# KiCad board first_keyboard.kicad_pcb (continued)
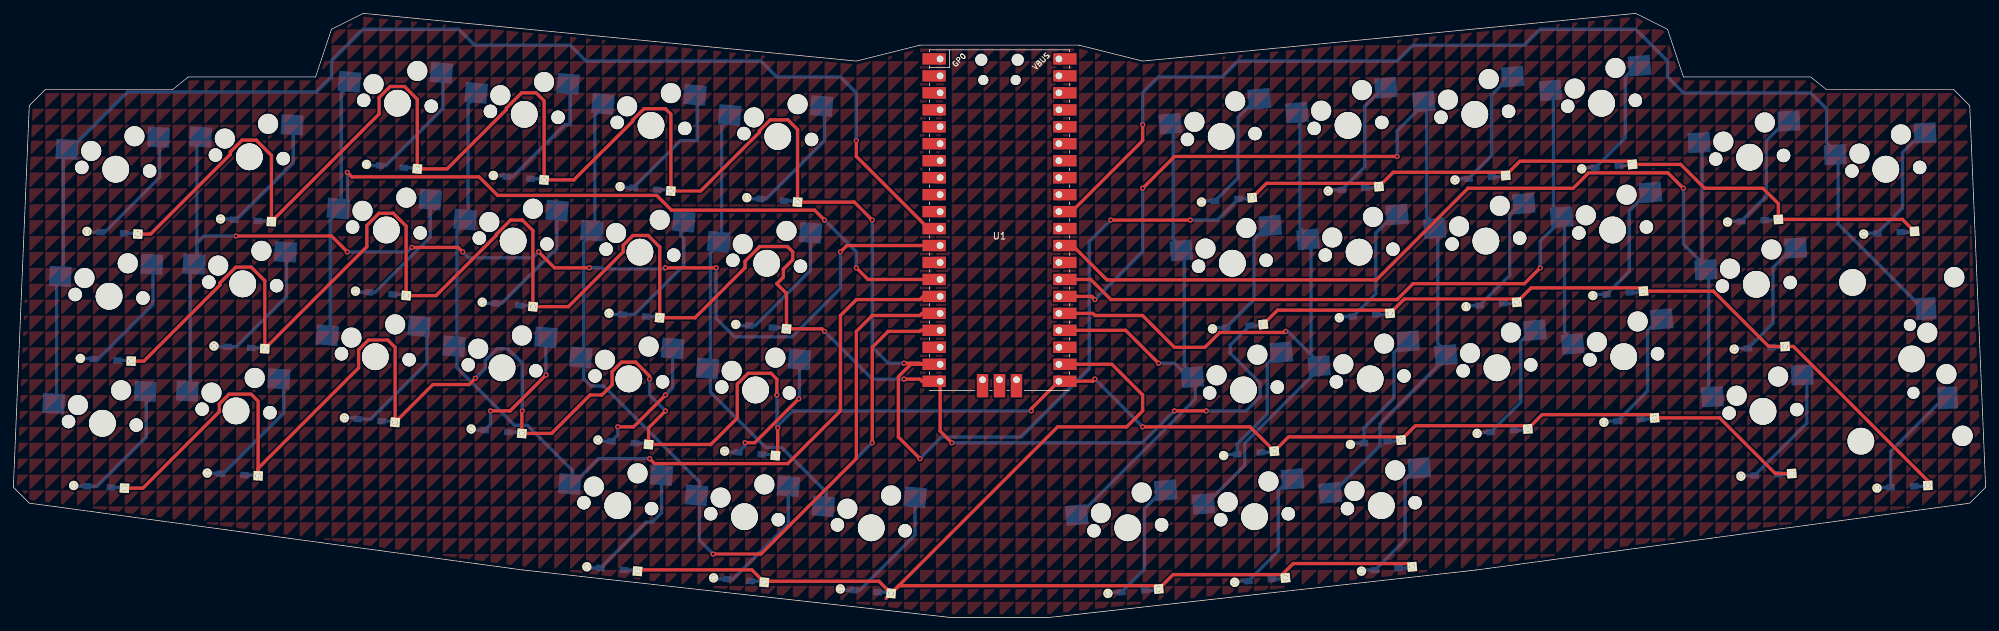
[diagram p0: board, top side]
## Copper pours and planes (outline as drawn; the poured copper is in the pictures) (continued)
(no net) on Top, Bottom: 26.19,14.29 26.19,11.91 28.58,14.29
(no net) on Top, Bottom: 245.27,121.44 245.27,119.06 247.65,121.44
(no net) on Top, Bottom: 264.32,9.53 264.32,7.14 266.7,9.53
(no net) on Top, Bottom: 207.17,59.53 207.17,57.15 209.55,59.53
(no net) on Top, Bottom: 109.54,26.19 109.54,23.81 111.92,26.19
(no net) on Top, Bottom: 283.37,69.06 283.37,66.68 285.75,69.06
(no net) on Top, Bottom: 92.87,109.54 92.87,107.16 95.25,109.54
(no net) on Top, Bottom: 47.62,14.29 47.62,11.91 50.01,14.29
(no net) on Top, Bottom: 297.66,28.57 297.66,26.19 300.04,28.57
(no net) on Top, Bottom: 242.89,-2.38 242.89,-4.76 245.27,-2.38
(no net) on Top, Bottom: 100.01,114.3 100.01,111.92 102.39,114.3
(no net) on Top, Bottom: 259.56,21.43 259.56,19.05 261.94,21.43
(no net) on Top, Bottom: 259.56,133.35 259.56,130.97 261.94,133.35
(no net) on Top, Bottom: 190.5,19.05 190.5,16.67 192.88,19.05
(no net) on Top, Bottom: 271.46,52.39 271.46,50.01 273.84,52.39
(no net) on Top, Bottom: 242.89,140.49 242.89,138.11 245.27,140.49
(no net) on Top, Bottom: 97.63,-30.96 97.63,-33.34 100.01,-30.96
(no net) on Top, Bottom: 73.82,-26.19 73.82,-28.57 76.2,-26.19
(no net) on Top, Bottom: 52.39,57.15 52.39,54.77 54.77,57.15
(no net) on Top, Bottom: 76.2,-14.29 76.2,-16.67 78.58,-14.29
(no net) on Top, Bottom: 104.77,50.01 104.77,47.62 107.16,50.01
(no net) on Top, Bottom: 33.34,95.25 33.34,92.87 35.72,95.25
(no net) on Top, Bottom: 276.22,-33.34 276.22,-35.72 278.61,-33.34
(no net) on Top, Bottom: 88.11,-28.57 88.11,-30.96 90.49,-28.57
(no net) on Top, Bottom: 2.38,-9.53 2.38,-11.91 4.76,-9.53
(no net) on Top, Bottom: 259.56,-11.91 259.56,-14.29 261.94,-11.91
(no net) on Top, Bottom: 135.73,102.39 135.73,100.01 138.11,102.39
(no net) on Top, Bottom: 57.15,7.14 57.15,4.76 59.53,7.14
(no net) on Top, Bottom: 38.1,61.91 38.1,59.53 40.48,61.91
(no net) on Top, Bottom: 214.31,14.29 214.31,11.91 216.69,14.29
(no net) on Top, Bottom: 154.78,-35.72 154.78,-38.1 157.16,-35.72
(no net) on Top, Bottom: 102.39,-35.72 102.39,-38.1 104.77,-35.72
(no net) on Top, Bottom: 183.36,-7.14 183.36,-9.53 185.74,-7.14
(no net) on Top, Bottom: 126.21,28.57 126.21,26.19 128.59,28.57
(no net) on Top, Bottom: 259.56,-38.1 259.56,-40.48 261.94,-38.1
(no net) on Top, Bottom: 126.21,-19.05 126.21,-21.43 128.59,-19.05
(no net) on Top, Bottom: 64.29,85.72 64.29,83.34 66.67,85.72
(no net) on Top, Bottom: 238.12,14.29 238.12,11.91 240.51,14.29
(no net) on Top, Bottom: 207.17,45.24 207.17,42.86 209.55,45.24
(no net) on Top, Bottom: 107.16,111.92 107.16,109.54 109.54,111.92
(no net) on Top, Bottom: 28.58,-14.29 28.58,-16.67 30.96,-14.29
(no net) on Top, Bottom: 166.69,126.21 166.69,123.83 169.07,126.21
(no net) on Top, Bottom: 188.12,30.96 188.12,28.57 190.5,30.96
(no net) on Top, Bottom: 16.67,73.82 16.67,71.44 19.05,73.82
(no net) on Top, Bottom: 66.67,66.68 66.67,64.29 69.06,66.68
(no net) on Top, Bottom: 207.17,109.54 207.17,107.16 209.55,109.54
(no net) on Top, Bottom: 21.43,4.76 21.43,2.38 23.81,4.76
(no net) on Top, Bottom: 197.64,104.78 197.64,102.39 200.02,104.78
(no net) on Top, Bottom: 100.01,71.44 100.01,69.06 102.39,71.44
(no net) on Top, Bottom: 150.02,30.96 150.02,28.57 152.4,30.96
(no net) on Top, Bottom: 300.04,97.63 300.04,95.25 302.42,97.63
(no net) on Top, Bottom: 157.16,30.96 157.16,28.57 159.54,30.96
(no net) on Top, Bottom: 152.4,142.88 152.4,140.49 154.78,142.88
(no net) on Top, Bottom: 121.44,28.57 121.44,26.19 123.83,28.57
(no net) on Top, Bottom: 238.12,-19.05 238.12,-21.43 240.51,-19.05
(no net) on Top, Bottom: 290.51,59.53 290.51,57.15 292.89,59.53
(no net) on Top, Bottom: 133.35,-35.72 133.35,-38.1 135.73,-35.72
(no net) on Top, Bottom: 200.02,114.3 200.02,111.92 202.41,114.3
(no net) on Top, Bottom: 100.01,116.68 100.01,114.3 102.39,116.68
(no net) on Top, Bottom: 304.8,26.19 304.8,23.81 307.18,26.19
(no net) on Top, Bottom: 204.79,73.82 204.79,71.44 207.17,73.82
(no net) on Top, Bottom: 95.25,130.97 95.25,128.59 97.63,130.97
(no net) on Top, Bottom: 52.39,116.68 52.39,114.3 54.77,116.68
(no net) on Top, Bottom: 64.29,-23.81 64.29,-26.19 66.67,-23.81
(no net) on Top, Bottom: 76.2,19.05 76.2,16.67 78.58,19.05
(no net) on Top, Bottom: 145.26,28.57 145.26,26.19 147.64,28.57
(no net) on Top, Bottom: 33.34,121.44 33.34,119.06 35.72,121.44
(no net) on Top, Bottom: 33.34,11.91 33.34,9.53 35.72,11.91
(no net) on Top, Bottom: 102.39,69.06 102.39,66.68 104.77,69.06
(no net) on Top, Bottom: 76.2,111.92 76.2,109.54 78.58,111.92
(no net) on Top, Bottom: 4.76,97.63 4.76,95.25 7.14,97.63
(no net) on Top, Bottom: 109.54,4.76 109.54,2.38 111.92,4.76
(no net) on Top, Bottom: 171.45,16.67 171.45,14.29 173.83,16.67
(no net) on Top, Bottom: 221.46,-21.43 221.46,-23.81 223.84,-21.43
(no net) on Top, Bottom: 230.98,121.44 230.98,119.06 233.36,121.44
(no net) on Top, Bottom: 50.01,-33.34 50.01,-35.72 52.39,-33.34
(no net) on Top, Bottom: 228.6,9.53 228.6,7.14 230.98,9.53
(no net) on Top, Bottom: 288.13,71.44 288.13,69.06 290.51,71.44
(no net) on Top, Bottom: 250.03,150.02 250.03,147.64 252.41,150.02
(no net) on Top, Bottom: 59.53,83.34 59.53,80.96 61.91,83.34
(no net) on Top, Bottom: 271.46,123.83 271.46,121.44 273.84,123.83
(no net) on Top, Bottom: 66.67,14.29 66.67,11.91 69.06,14.29
(no net) on Top, Bottom: 71.44,71.44 71.44,69.06 73.82,71.44
(no net) on Top, Bottom: 238.12,42.86 238.12,40.48 240.51,42.86
(no net) on Top, Bottom: 142.88,102.39 142.88,100.01 145.26,102.39
(no net) on Top, Bottom: 26.19,-28.57 26.19,-30.96 28.58,-28.57
(no net) on Top, Bottom: 142.88,14.29 142.88,11.91 145.26,14.29
(no net) on Top, Bottom: 133.35,119.06 133.35,116.68 135.73,119.06
(no net) on Top, Bottom: 69.06,-2.38 69.06,-4.76 71.44,-2.38
(no net) on Top, Bottom: 242.89,19.05 242.89,16.67 245.27,19.05
(no net) on Top, Bottom: 190.5,38.1 190.5,35.72 192.88,38.1
(no net) on Top, Bottom: 135.73,4.76 135.73,2.38 138.11,4.76
(no net) on Top, Bottom: 57.15,133.35 57.15,130.97 59.53,133.35
(no net) on Top, Bottom: 245.27,33.34 245.27,30.96 247.65,33.34
(no net) on Top, Bottom: 69.06,26.19 69.06,23.81 71.44,26.19
(no net) on Top, Bottom: 226.22,47.62 226.22,45.24 228.6,47.62
(no net) on Top, Bottom: 278.61,28.57 278.61,26.19 280.99,28.57
(no net) on Top, Bottom: 30.96,23.81 30.96,21.43 33.34,23.81
(no net) on Top, Bottom: 180.98,142.88 180.98,140.49 183.36,142.88
(no net) on Top, Bottom: 128.59,135.73 128.59,133.35 130.97,135.73
(no net) on Top, Bottom: 59.53,66.68 59.53,64.29 61.91,66.68
(no net) on Top, Bottom: 38.1,130.97 38.1,128.59 40.48,130.97
(no net) on Top, Bottom: 45.24,80.96 45.24,78.58 47.62,80.96
(no net) on Top, Bottom: 138.11,95.25 138.11,92.87 140.49,95.25
(no net) on Top, Bottom: 83.34,90.49 83.34,88.11 85.73,90.49
(no net) on Top, Bottom: 185.74,150.02 185.74,147.64 188.12,150.02
(no net) on Top, Bottom: 57.15,69.06 57.15,66.68 59.53,69.06
(no net) on Top, Bottom: 295.27,-2.38 295.27,-4.76 297.66,-2.38
(no net) on Top, Bottom: 200.02,11.91 200.02,9.53 202.41,11.91
(no net) on Top, Bottom: 119.06,145.26 119.06,142.88 121.44,145.26
(no net) on Top, Bottom: 300.04,69.06 300.04,66.68 302.42,69.06
(no net) on Top, Bottom: 304.8,-28.57 304.8,-30.96 307.18,-28.57
(no net) on Top, Bottom: 38.1,97.63 38.1,95.25 40.48,97.63
(no net) on Top, Bottom: 152.4,83.34 152.4,80.96 154.78,83.34
(no net) on Top, Bottom: 107.16,-14.29 107.16,-16.67 109.54,-14.29
(no net) on Top, Bottom: 221.46,140.49 221.46,138.11 223.84,140.49
(no net) on Top, Bottom: 264.32,-33.34 264.32,-35.72 266.7,-33.34
(no net) on Top, Bottom: 19.05,92.87 19.05,90.49 21.43,92.87
(no net) on Top, Bottom: 176.21,45.24 176.21,42.86 178.59,45.24
(no net) on Top, Bottom: 119.06,-11.91 119.06,-14.29 121.44,-11.91
(no net) on Top, Bottom: 190.5,64.29 190.5,61.91 192.88,64.29
(no net) on Top, Bottom: 52.39,104.78 52.39,102.39 54.77,104.78
(no net) on Top, Bottom: 161.93,130.97 161.93,128.59 164.31,130.97
(no net) on Top, Bottom: 250.03,35.72 250.03,33.34 252.41,35.72
(no net) on Top, Bottom: 207.17,40.48 207.17,38.1 209.55,40.48
(no net) on Top, Bottom: 150.02,142.88 150.02,140.49 152.4,142.88
(no net) on Top, Bottom: 245.27,-21.43 245.27,-23.81 247.65,-21.43
(no net) on Top, Bottom: 85.73,-30.96 85.73,-33.34 88.11,-30.96
(no net) on Top, Bottom: 164.31,-30.96 164.31,-33.34 166.69,-30.96
(no net) on Top, Bottom: 192.88,-21.43 192.88,-23.81 195.26,-21.43
(no net) on Top, Bottom: 128.59,14.29 128.59,11.91 130.97,14.29
(no net) on Top, Bottom: 300.04,92.87 300.04,90.49 302.42,92.87
(no net) on Top, Bottom: 111.92,2.38 111.92,0 114.3,2.38
(no net) on Top, Bottom: 102.39,80.96 102.39,78.58 104.77,80.96
(no net) on Top, Bottom: 176.21,116.68 176.21,114.3 178.59,116.68
(no net) on Top, Bottom: 178.59,11.91 178.59,9.53 180.98,11.91
(no net) on Top, Bottom: 292.89,128.59 292.89,126.21 295.27,128.59
(no net) on Top, Bottom: 295.27,-33.34 295.27,-35.72 297.66,-33.34
(no net) on Top, Bottom: 169.07,61.91 169.07,59.53 171.45,61.91
(no net) on Top, Bottom: 111.92,83.34 111.92,80.96 114.3,83.34
(no net) on Top, Bottom: 290.51,-19.05 290.51,-21.43 292.89,-19.05
(no net) on Top, Bottom: 266.7,-4.76 266.7,-7.14 269.08,-4.76
(no net) on Top, Bottom: 185.74,133.35 185.74,130.97 188.12,133.35
(no net) on Top, Bottom: 116.68,-9.53 116.68,-11.91 119.06,-9.53
(no net) on Top, Bottom: 300.04,142.88 300.04,140.49 302.42,142.88
(no net) on Top, Bottom: 4.76,95.25 4.76,92.87 7.14,95.25
(no net) on Top, Bottom: 252.41,145.26 252.41,142.88 254.79,145.26
(no net) on Top, Bottom: 19.05,85.72 19.05,83.34 21.43,85.72
(no net) on Top, Bottom: 154.78,-21.43 154.78,-23.81 157.16,-21.43
(no net) on Top, Bottom: 242.89,-14.29 242.89,-16.67 245.27,-14.29
(no net) on Top, Bottom: 264.32,11.91 264.32,9.53 266.7,11.91
(no net) on Top, Bottom: 147.64,100.01 147.64,97.63 150.02,100.01
(no net) on Top, Bottom: 40.48,45.24 40.48,42.86 42.86,45.24
(no net) on Top, Bottom: 135.73,-28.57 135.73,-30.96 138.11,-28.57
(no net) on Top, Bottom: 297.66,102.39 297.66,100.01 300.04,102.39
(no net) on Top, Bottom: 71.44,38.1 71.44,35.72 73.82,38.1
(no net) on Top, Bottom: 264.32,14.29 264.32,11.91 266.7,14.29
(no net) on Top, Bottom: 173.83,19.05 173.83,16.67 176.21,19.05
(no net) on Top, Bottom: 2.38,97.63 2.38,95.25 4.76,97.63
(no net) on Top, Bottom: 85.73,11.91 85.73,9.53 88.11,11.91
(no net) on Top, Bottom: 85.73,-35.72 85.73,-38.1 88.11,-35.72
(no net) on Top, Bottom: 16.67,116.68 16.67,114.3 19.05,116.68
(no net) on Top, Bottom: 23.81,78.58 23.81,76.2 26.19,78.58
(no net) on Top, Bottom: 192.88,97.63 192.88,95.25 195.26,97.63
(no net) on Top, Bottom: 280.99,38.1 280.99,35.72 283.37,38.1
(no net) on Top, Bottom: 59.53,-26.19 59.53,-28.57 61.91,-26.19
(no net) on Top, Bottom: 104.77,45.24 104.77,42.86 107.16,45.24
(no net) on Top, Bottom: 195.26,138.11 195.26,135.73 197.64,138.11
(no net) on Top, Bottom: 230.98,7.14 230.98,4.76 233.36,7.14
(no net) on Top, Bottom: 190.5,-23.81 190.5,-26.19 192.88,-23.81
(no net) on Top, Bottom: 245.27,-19.05 245.27,-21.43 247.65,-19.05
(no net) on Top, Bottom: 16.67,61.91 16.67,59.53 19.05,61.91
(no net) on Top, Bottom: 88.11,88.11 88.11,85.72 90.49,88.11
(no net) on Top, Bottom: 276.22,30.96 276.22,28.57 278.61,30.96
(no net) on Top, Bottom: 145.26,47.62 145.26,45.24 147.64,47.62
(no net) on Top, Bottom: 157.16,150.02 157.16,147.64 159.54,150.02
(no net) on Top, Bottom: 235.74,-9.53 235.74,-11.91 238.12,-9.53
(no net) on Top, Bottom: 221.46,33.34 221.46,30.96 223.84,33.34
(no net) on Top, Bottom: 107.16,26.19 107.16,23.81 109.54,26.19
(no net) on Top, Bottom: 152.4,16.67 152.4,14.29 154.78,16.67
(no net) on Top, Bottom: 114.3,104.78 114.3,102.39 116.68,104.78
(no net) on Top, Bottom: 140.49,28.57 140.49,26.19 142.88,28.57
(no net) on Top, Bottom: 145.26,40.48 145.26,38.1 147.64,40.48
(no net) on Top, Bottom: 242.89,16.67 242.89,14.29 245.27,16.67
(no net) on Top, Bottom: 300.04,16.67 300.04,14.29 302.42,16.67
(no net) on Top, Bottom: 119.06,50.01 119.06,47.62 121.44,50.01
(no net) on Top, Bottom: 142.88,26.19 142.88,23.81 145.26,26.19
(no net) on Top, Bottom: 221.46,-28.57 221.46,-30.96 223.84,-28.57
(no net) on Top, Bottom: 80.96,-14.29 80.96,-16.67 83.34,-14.29
(no net) on Top, Bottom: 169.07,128.59 169.07,126.21 171.45,128.59
(no net) on Top, Bottom: 261.94,71.44 261.94,69.06 264.32,71.44
(no net) on Top, Bottom: 147.64,-4.76 147.64,-7.14 150.02,-4.76
(no net) on Top, Bottom: 104.77,11.91 104.77,9.53 107.16,11.91
(no net) on Top, Bottom: 204.79,142.88 204.79,140.49 207.17,142.88
(no net) on Top, Bottom: 226.22,80.96 226.22,78.58 228.6,80.96
(no net) on Top, Bottom: 207.17,140.49 207.17,138.11 209.55,140.49
(no net) on Top, Bottom: 71.44,59.53 71.44,57.15 73.82,59.53
(no net) on Top, Bottom: 28.58,2.38 28.58,0 30.96,2.38
(no net) on Top, Bottom: 73.82,23.81 73.82,21.43 76.2,23.81
(no net) on Top, Bottom: 159.54,78.58 159.54,76.2 161.93,78.58
(no net) on Top, Bottom: 300.04,52.39 300.04,50.01 302.42,52.39
(no net) on Top, Bottom: 28.58,69.06 28.58,66.68 30.96,69.06
(no net) on Top, Bottom: 42.86,21.43 42.86,19.05 45.24,21.43
(no net) on Top, Bottom: 35.72,121.44 35.72,119.06 38.1,121.44
(no net) on Top, Bottom: 178.59,121.44 178.59,119.06 180.98,121.44
(no net) on Top, Bottom: 150.02,-4.76 150.02,-7.14 152.4,-4.76
(no net) on Top, Bottom: 11.91,35.72 11.91,33.34 14.29,35.72
(no net) on Top, Bottom: 42.86,102.39 42.86,100.01 45.24,102.39
(no net) on Top, Bottom: 192.88,142.88 192.88,140.49 195.26,142.88
(no net) on Top, Bottom: 302.42,26.19 302.42,23.81 304.8,26.19
(no net) on Top, Bottom: 19.05,0 19.05,-2.38 21.43,0
(no net) on Top, Bottom: 83.34,11.91 83.34,9.53 85.73,11.91
(no net) on Top, Bottom: 223.84,126.21 223.84,123.83 226.22,126.21
(no net) on Top, Bottom: 76.2,73.82 76.2,71.44 78.58,73.82
(no net) on Top, Bottom: 88.11,-2.38 88.11,-4.76 90.49,-2.38
(no net) on Top, Bottom: 19.05,95.25 19.05,92.87 21.43,95.25
(no net) on Top, Bottom: 121.44,73.82 121.44,71.44 123.83,73.82
(no net) on Top, Bottom: 276.22,71.44 276.22,69.06 278.61,71.44
(no net) on Top, Bottom: 80.96,142.88 80.96,140.49 83.34,142.88
(no net) on Top, Bottom: 297.66,-2.38 297.66,-4.76 300.04,-2.38
(no net) on Top, Bottom: 261.94,-2.38 261.94,-4.76 264.32,-2.38
(no net) on Top, Bottom: 269.08,59.53 269.08,57.15 271.46,59.53
(no net) on Top, Bottom: 228.6,102.39 228.6,100.01 230.98,102.39
(no net) on Top, Bottom: 47.62,104.78 47.62,102.39 50.01,104.78
(no net) on Top, Bottom: 233.36,135.73 233.36,133.35 235.74,135.73
(no net) on Top, Bottom: 209.55,45.24 209.55,42.86 211.93,45.24
(no net) on Top, Bottom: 288.13,90.49 288.13,88.11 290.51,90.49
(no net) on Top, Bottom: 259.56,-23.81 259.56,-26.19 261.94,-23.81
(no net) on Top, Bottom: 42.86,52.39 42.86,50.01 45.24,52.39
(no net) on Top, Bottom: 288.13,130.97 288.13,128.59 290.51,130.97
(no net) on Top, Bottom: 300.04,145.26 300.04,142.88 302.42,145.26
(no net) on Top, Bottom: 152.4,92.87 152.4,90.49 154.78,92.87
(no net) on Top, Bottom: 245.27,83.34 245.27,80.96 247.65,83.34
(no net) on Top, Bottom: 57.15,121.44 57.15,119.06 59.53,121.44
(no net) on Top, Bottom: 121.44,92.87 121.44,90.49 123.83,92.87
(no net) on Top, Bottom: 242.89,-33.34 242.89,-35.72 245.27,-33.34
(no net) on Top, Bottom: 157.16,80.96 157.16,78.58 159.54,80.96
(no net) on Top, Bottom: 264.32,64.29 264.32,61.91 266.7,64.29
(no net) on Top, Bottom: 304.8,119.06 304.8,116.68 307.18,119.06
(no net) on Top, Bottom: 142.88,150.02 142.88,147.64 145.26,150.02
(no net) on Top, Bottom: 269.08,145.26 269.08,142.88 271.46,145.26
(no net) on Top, Bottom: 50.01,135.73 50.01,133.35 52.39,135.73
(no net) on Top, Bottom: 16.67,-23.81 16.67,-26.19 19.05,-23.81
(no net) on Top, Bottom: 188.12,71.44 188.12,69.06 190.5,71.44
(no net) on Top, Bottom: 219.07,50.01 219.07,47.62 221.46,50.01
(no net) on Top, Bottom: 226.22,9.53 226.22,7.14 228.6,9.53
(no net) on Top, Bottom: 80.96,-4.76 80.96,-7.14 83.34,-4.76
(no net) on Top, Bottom: 264.32,80.96 264.32,78.58 266.7,80.96
(no net) on Top, Bottom: 57.15,-30.96 57.15,-33.34 59.53,-30.96
(no net) on Top, Bottom: 226.22,76.2 226.22,73.82 228.6,76.2
(no net) on Top, Bottom: 157.16,116.68 157.16,114.3 159.54,116.68
(no net) on Top, Bottom: 0,47.62 0,45.24 2.38,47.62
(no net) on Top, Bottom: 278.61,95.25 278.61,92.87 280.99,95.25
(no net) on Top, Bottom: 173.83,150.02 173.83,147.64 176.21,150.02
(no net) on Top, Bottom: 209.55,126.21 209.55,123.83 211.93,126.21
(no net) on Top, Bottom: 295.27,135.73 295.27,133.35 297.66,135.73
(no net) on Top, Bottom: 23.81,102.39 23.81,100.01 26.19,102.39
(no net) on Top, Bottom: 116.68,150.02 116.68,147.64 119.06,150.02
(no net) on Top, Bottom: 57.15,-23.81 57.15,-26.19 59.53,-23.81
(no net) on Top, Bottom: 304.8,-23.81 304.8,-26.19 307.18,-23.81
(no net) on Top, Bottom: 233.36,92.87 233.36,90.49 235.74,92.87
(no net) on Top, Bottom: 2.38,16.67 2.38,14.29 4.76,16.67
(no net) on Top, Bottom: 261.94,45.24 261.94,42.86 264.32,45.24
(no net) on Top, Bottom: 66.67,19.05 66.67,16.67 69.06,19.05
(no net) on Top, Bottom: 102.39,-4.76 102.39,-7.14 104.77,-4.76
(no net) on Top, Bottom: 109.54,2.38 109.54,0 111.92,2.38
(no net) on Top, Bottom: 240.51,-19.05 240.51,-21.43 242.89,-19.05
(no net) on Top, Bottom: 190.5,102.39 190.5,100.01 192.88,102.39
(no net) on Top, Bottom: 228.6,35.72 228.6,33.34 230.98,35.72
(no net) on Top, Bottom: 11.91,-21.43 11.91,-23.81 14.29,-21.43
(no net) on Top, Bottom: 145.26,57.15 145.26,54.77 147.64,57.15
(no net) on Top, Bottom: 228.6,83.34 228.6,80.96 230.98,83.34
(no net) on Top, Bottom: 152.4,-26.19 152.4,-28.57 154.78,-26.19
(no net) on Top, Bottom: 38.1,-11.91 38.1,-14.29 40.48,-11.91
(no net) on Top, Bottom: 47.62,64.29 47.62,61.91 50.01,64.29
(no net) on Top, Bottom: 85.73,-7.14 85.73,-9.53 88.11,-7.14
(no net) on Top, Bottom: 285.75,135.73 285.75,133.35 288.13,135.73
(no net) on Top, Bottom: 97.63,26.19 97.63,23.81 100.01,26.19
(no net) on Top, Bottom: 111.92,47.62 111.92,45.24 114.3,47.62
(no net) on Top, Bottom: 278.61,52.39 278.61,50.01 280.99,52.39
(no net) on Top, Bottom: 300.04,138.11 300.04,135.73 302.42,138.11
(no net) on Top, Bottom: 59.53,33.34 59.53,30.96 61.91,33.34
(no net) on Top, Bottom: 14.29,-14.29 14.29,-16.67 16.67,-14.29
(no net) on Top, Bottom: 26.19,23.81 26.19,21.43 28.58,23.81
(no net) on Top, Bottom: 169.07,9.53 169.07,7.14 171.45,9.53
(no net) on Top, Bottom: 19.05,-2.38 19.05,-4.76 21.43,-2.38
(no net) on Top, Bottom: 192.88,145.26 192.88,142.88 195.26,145.26
(no net) on Top, Bottom: 245.27,52.39 245.27,50.01 247.65,52.39
(no net) on Top, Bottom: 283.37,-26.19 283.37,-28.57 285.75,-26.19
(no net) on Top, Bottom: 233.36,21.43 233.36,19.05 235.74,21.43
(no net) on Top, Bottom: 242.89,133.35 242.89,130.97 245.27,133.35
(no net) on Top, Bottom: 147.64,-7.14 147.64,-9.53 150.02,-7.14
(no net) on Top, Bottom: 221.46,80.96 221.46,78.58 223.84,80.96
(no net) on Top, Bottom: 138.11,52.39 138.11,50.01 140.49,52.39
(no net) on Top, Bottom: 145.26,16.67 145.26,14.29 147.64,16.67
(no net) on Top, Bottom: 221.46,40.48 221.46,38.1 223.84,40.48
(no net) on Top, Bottom: 140.49,38.1 140.49,35.72 142.88,38.1
(no net) on Top, Bottom: 145.26,-16.67 145.26,-19.05 147.64,-16.67
(no net) on Top, Bottom: 40.48,64.29 40.48,61.91 42.86,64.29
(no net) on Top, Bottom: 138.11,100.01 138.11,97.63 140.49,100.01
(no net) on Top, Bottom: 76.2,102.39 76.2,100.01 78.58,102.39
(no net) on Top, Bottom: 259.56,-14.29 259.56,-16.67 261.94,-14.29
(no net) on Top, Bottom: 216.69,-30.96 216.69,-33.34 219.07,-30.96
(no net) on Top, Bottom: 197.64,-26.19 197.64,-28.57 200.02,-26.19
(no net) on Top, Bottom: 102.39,140.49 102.39,138.11 104.77,140.49
(no net) on Top, Bottom: 107.16,80.96 107.16,78.58 109.54,80.96
(no net) on Top, Bottom: 104.77,33.34 104.77,30.96 107.16,33.34
(no net) on Top, Bottom: 92.87,111.92 92.87,109.54 95.25,111.92
(no net) on Top, Bottom: 166.69,104.78 166.69,102.39 169.07,104.78
(no net) on Top, Bottom: 71.44,114.3 71.44,111.92 73.82,114.3
(no net) on Top, Bottom: 304.8,69.06 304.8,66.68 307.18,69.06
(no net) on Top, Bottom: 254.79,2.38 254.79,0 257.18,2.38
(no net) on Top, Bottom: 123.83,123.83 123.83,121.44 126.21,123.83
(no net) on Top, Bottom: 78.58,71.44 78.58,69.06 80.96,71.44
(no net) on Top, Bottom: 290.51,11.91 290.51,9.53 292.89,11.91
(no net) on Top, Bottom: 245.27,66.68 245.27,64.29 247.65,66.68
(no net) on Top, Bottom: 69.06,71.44 69.06,69.06 71.44,71.44
(no net) on Top, Bottom: 164.31,-21.43 164.31,-23.81 166.69,-21.43
(no net) on Top, Bottom: 121.44,128.59 121.44,126.21 123.83,128.59
(no net) on Top, Bottom: 23.81,38.1 23.81,35.72 26.19,38.1
(no net) on Top, Bottom: 45.24,114.3 45.24,111.92 47.62,114.3
(no net) on Top, Bottom: 4.76,21.43 4.76,19.05 7.14,21.43
(no net) on Top, Bottom: 271.46,19.05 271.46,16.67 273.84,19.05
(no net) on Top, Bottom: 157.16,71.44 157.16,69.06 159.54,71.44
(no net) on Top, Bottom: 204.79,-14.29 204.79,-16.67 207.17,-14.29
(no net) on Top, Bottom: 128.59,107.16 128.59,104.78 130.97,107.16
(no net) on Top, Bottom: 295.27,-21.43 295.27,-23.81 297.66,-21.43
(no net) on Top, Bottom: 245.27,133.35 245.27,130.97 247.65,133.35
(no net) on Top, Bottom: 85.73,64.29 85.73,61.91 88.11,64.29
(no net) on Top, Bottom: 238.12,-26.19 238.12,-28.57 240.51,-26.19
(no net) on Top, Bottom: 197.64,-35.72 197.64,-38.1 200.02,-35.72
(no net) on Top, Bottom: 269.08,-9.53 269.08,-11.91 271.46,-9.53
(no net) on Top, Bottom: 121.44,16.67 121.44,14.29 123.83,16.67
(no net) on Top, Bottom: 226.22,133.35 226.22,130.97 228.6,133.35
(no net) on Top, Bottom: 121.44,61.91 121.44,59.53 123.83,61.91
(no net) on Top, Bottom: 145.26,-2.38 145.26,-4.76 147.64,-2.38
(no net) on Top, Bottom: 21.43,-7.14 21.43,-9.53 23.81,-7.14
(no net) on Top, Bottom: 19.05,109.54 19.05,107.16 21.43,109.54
(no net) on Top, Bottom: 80.96,111.92 80.96,109.54 83.34,111.92
(no net) on Top, Bottom: 221.46,128.59 221.46,126.21 223.84,128.59
(no net) on Top, Bottom: 271.46,33.34 271.46,30.96 273.84,33.34
(no net) on Top, Bottom: 209.55,14.29 209.55,11.91 211.93,14.29
(no net) on Top, Bottom: 254.79,42.86 254.79,40.48 257.18,42.86
(no net) on Top, Bottom: 269.08,38.1 269.08,35.72 271.46,38.1
(no net) on Top, Bottom: 276.22,88.11 276.22,85.72 278.61,88.11
(no net) on Top, Bottom: 14.29,-33.34 14.29,-35.72 16.67,-33.34
(no net) on Top, Bottom: 61.91,119.06 61.91,116.68 64.29,119.06
(no net) on Top, Bottom: 164.31,38.1 164.31,35.72 166.69,38.1
(no net) on Top, Bottom: 111.92,19.05 111.92,16.67 114.3,19.05
(no net) on Top, Bottom: 276.22,85.72 276.22,83.34 278.61,85.72
(no net) on Top, Bottom: 209.55,147.64 209.55,145.26 211.93,147.64
(no net) on Top, Bottom: 7.14,52.39 7.14,50.01 9.53,52.39
(no net) on Top, Bottom: 300.04,-14.29 300.04,-16.67 302.42,-14.29
(no net) on Top, Bottom: 297.66,76.2 297.66,73.82 300.04,76.2
(no net) on Top, Bottom: 214.31,26.19 214.31,23.81 216.69,26.19
(no net) on Top, Bottom: 240.51,-4.76 240.51,-7.14 242.89,-4.76
(no net) on Top, Bottom: 88.11,2.38 88.11,0 90.49,2.38
(no net) on Top, Bottom: 104.77,69.06 104.77,66.68 107.16,69.06
(no net) on Top, Bottom: 185.74,71.44 185.74,69.06 188.12,71.44
(no net) on Top, Bottom: 240.51,104.78 240.51,102.39 242.89,104.78
(no net) on Top, Bottom: 23.81,11.91 23.81,9.53 26.19,11.91
(no net) on Top, Bottom: 154.78,-38.1 154.78,-40.48 157.16,-38.1
(no net) on Top, Bottom: 242.89,64.29 242.89,61.91 245.27,64.29
(no net) on Top, Bottom: 97.63,-21.43 97.63,-23.81 100.01,-21.43
(no net) on Top, Bottom: 235.74,59.53 235.74,57.15 238.12,59.53
(no net) on Top, Bottom: 195.26,71.44 195.26,69.06 197.64,71.44
(no net) on Top, Bottom: 80.96,147.64 80.96,145.26 83.34,147.64
(no net) on Top, Bottom: 128.59,59.53 128.59,57.15 130.97,59.53
(no net) on Top, Bottom: 161.93,119.06 161.93,116.68 164.31,119.06
(no net) on Top, Bottom: 71.44,52.39 71.44,50.01 73.82,52.39
(no net) on Top, Bottom: 266.7,66.68 266.7,64.29 269.08,66.68
(no net) on Top, Bottom: 71.44,-14.29 71.44,-16.67 73.82,-14.29
(no net) on Top, Bottom: 183.36,111.92 183.36,109.54 185.74,111.92
(no net) on Top, Bottom: 123.83,102.39 123.83,100.01 126.21,102.39
(no net) on Top, Bottom: 92.87,-26.19 92.87,-28.57 95.25,-26.19
(no net) on Top, Bottom: 33.34,-38.1 33.34,-40.48 35.72,-38.1
(no net) on Top, Bottom: 66.67,145.26 66.67,142.88 69.06,145.26
(no net) on Top, Bottom: 245.27,88.11 245.27,85.72 247.65,88.11
(no net) on Top, Bottom: 226.22,138.11 226.22,135.73 228.6,138.11
(no net) on Top, Bottom: 176.21,119.06 176.21,116.68 178.59,119.06
(no net) on Top, Bottom: 202.41,133.35 202.41,130.97 204.79,133.35
(no net) on Top, Bottom: 166.69,21.43 166.69,19.05 169.07,21.43
(no net) on Top, Bottom: 107.16,73.82 107.16,71.44 109.54,73.82
(no net) on Top, Bottom: 47.62,145.26 47.62,142.88 50.01,145.26
(no net) on Top, Bottom: 259.56,71.44 259.56,69.06 261.94,71.44
(no net) on Top, Bottom: 188.12,-2.38 188.12,-4.76 190.5,-2.38
(no net) on Top, Bottom: 280.99,76.2 280.99,73.82 283.37,76.2
(no net) on Top, Bottom: 47.62,150.02 47.62,147.64 50.01,150.02
(no net) on Top, Bottom: 150.02,45.24 150.02,42.86 152.4,45.24
(no net) on Top, Bottom: 166.69,123.83 166.69,121.44 169.07,123.83